# Altium PCB rev3.PcbDoc (part 4 of 7)
Units mil, origin at the board's own origin, x right, y up, seen from the top; angles counter-clockwise.
Board outline 1000 x 800 mil, 2 copper layers (Top Layer, Bottom Layer); 273 components, 16 nets, 2912 pads, 0 vias.
Unrouted connection lines stored in the file: 16.
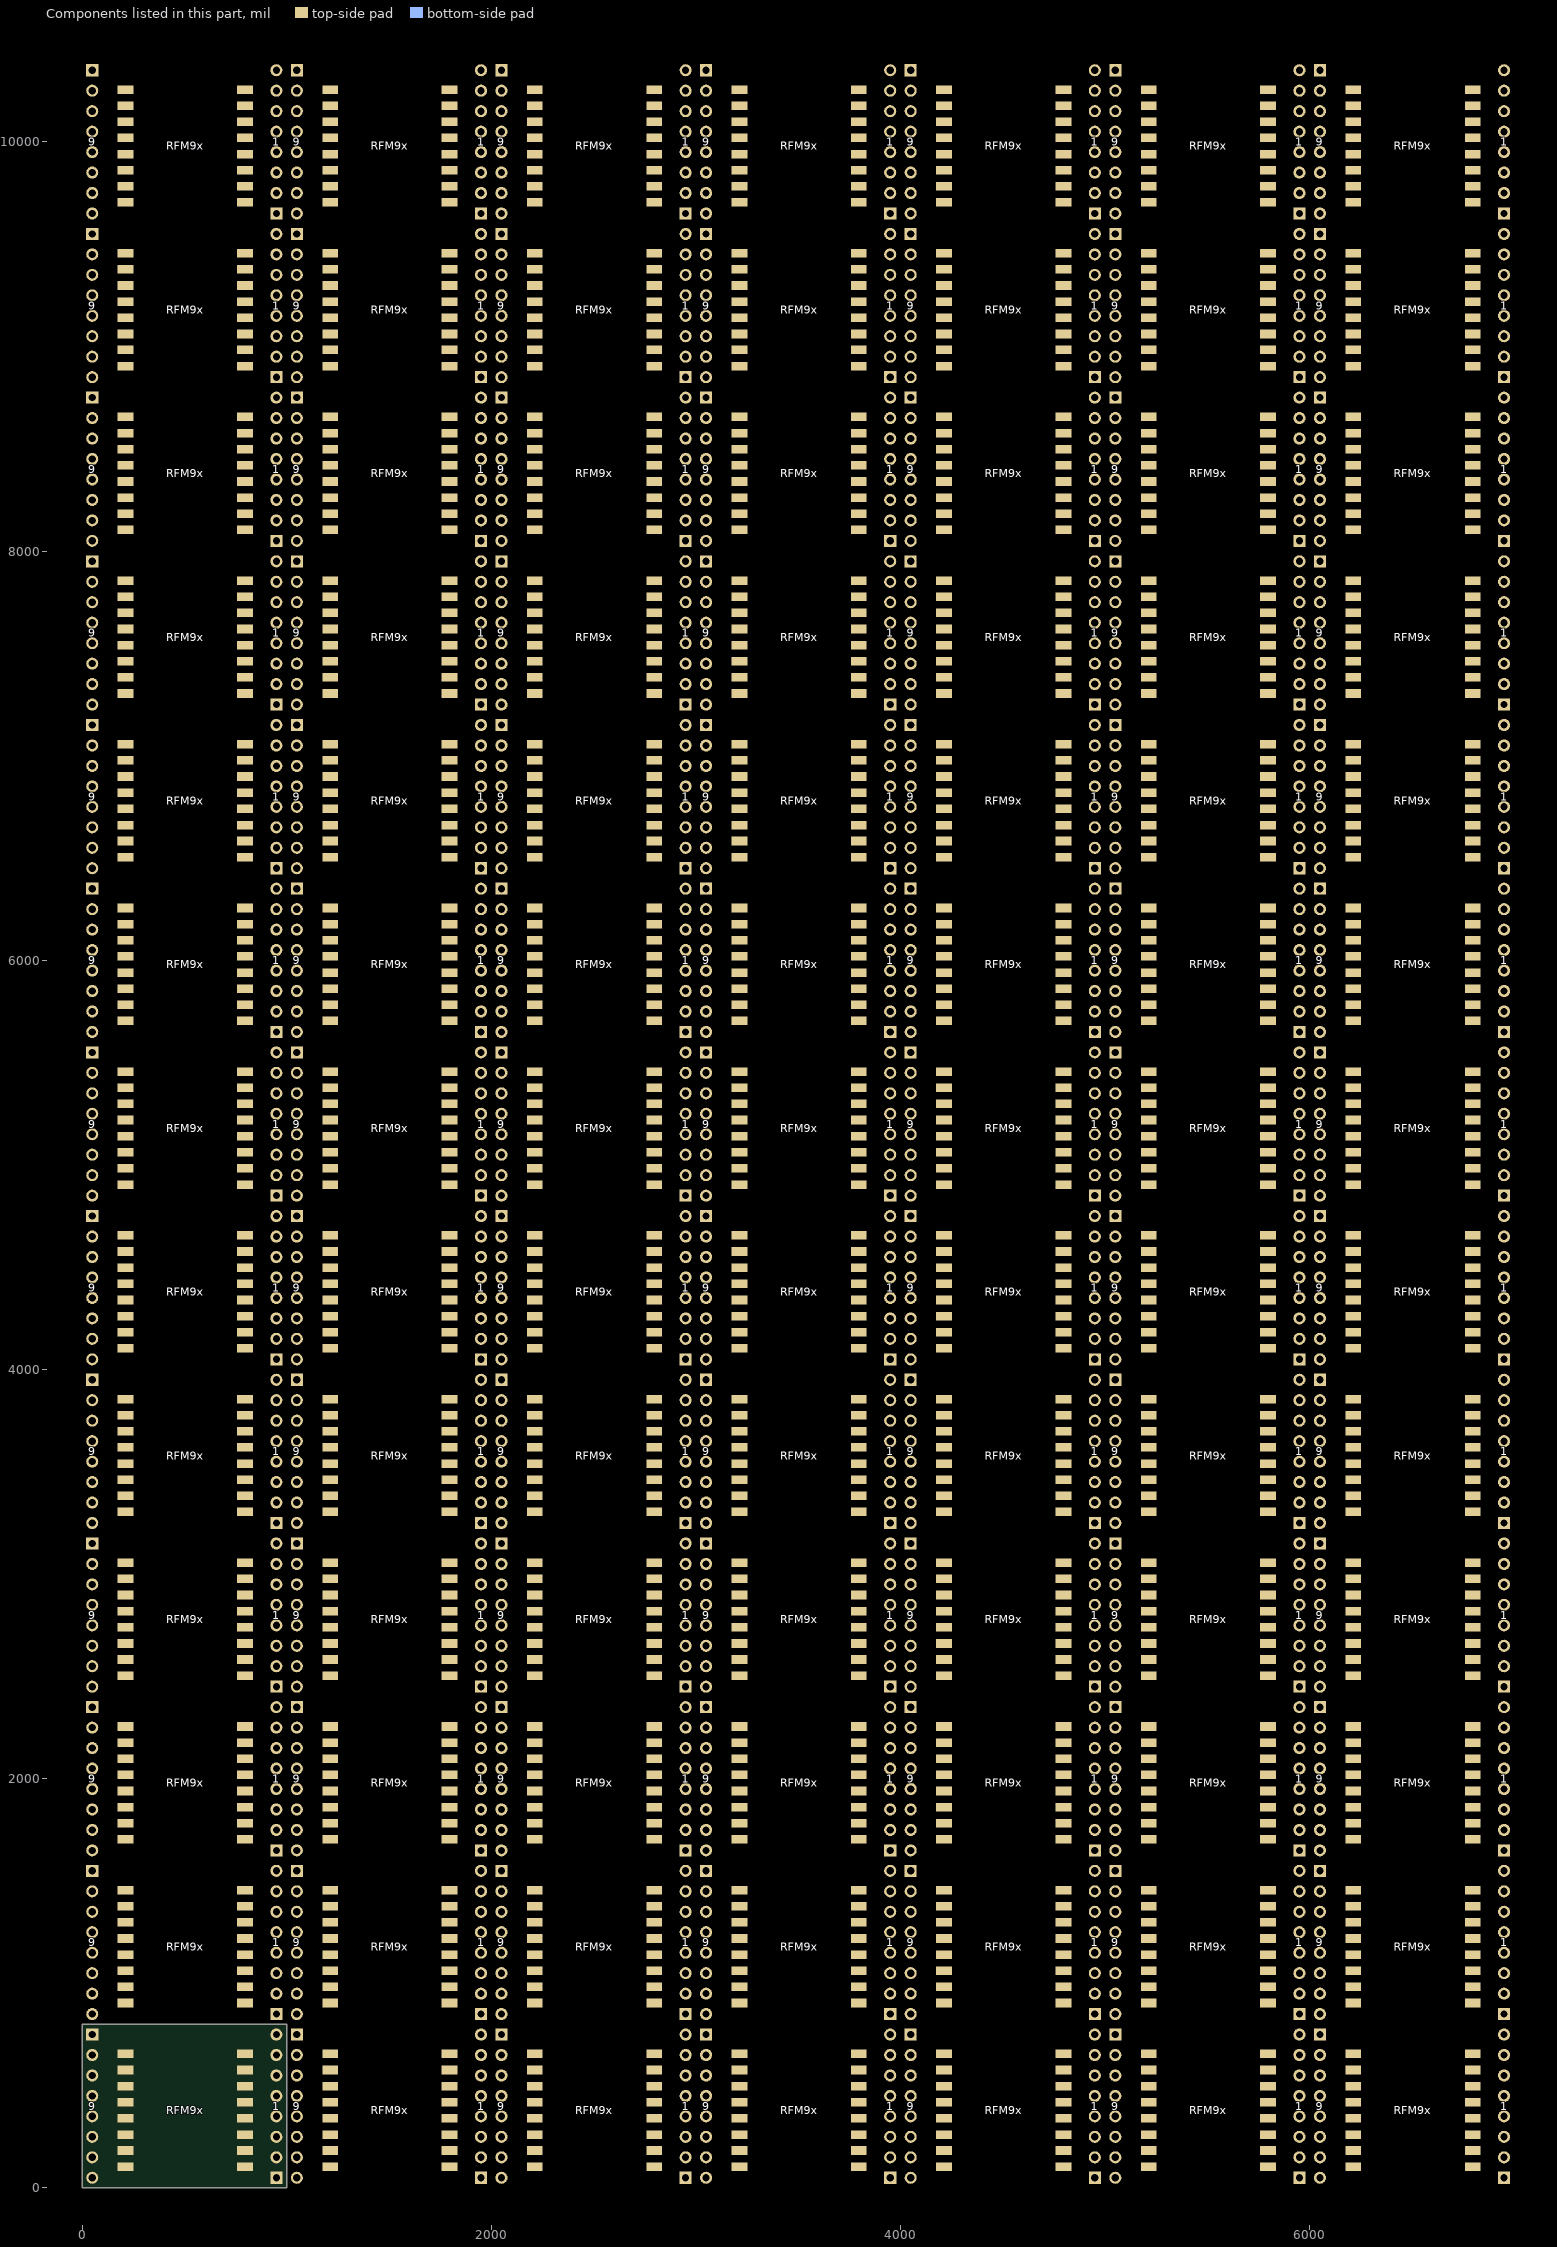
[diagram p4: the components of this part, seen from the top]

## Nets (pads, with @x,y where several pads share a name; then routed paths per layer and width w, separated by ;. In a path a pad name is that pad's centre, name@x,y a point inside that pad or via, vN(x,y) a via of type N, cw(c..) or ccw(c..) an arc to the next point about the centre after c; other vN are vias at no path point) (continued)
copper on no net: (continued)
  Top Layer w32: 50,850 154.25,850 208.66,904.41 ; 50,950 126.87,950 160.02,983.15 208.66,983.15 ; 50,1050 61.89,1061.89 208.66,1061.89 ; 50,1150 59.37,1140.63 208.66,1140.63 ; 50,1250 59.64,1250 89.64,1220 208.66,1220 208.66,1221 ; 50,1350 59.64,1350 105.64,1304 203.66,1304 208.66,1299 ; 50,1450 90,1450 122.16,1417.84 122.16,1415.12 160.28,1377 208.66,1377 ; 50,1550 114.66,1550 208.66,1456 ; 50,1650 154.25,1650 208.66,1704.41 ; 50,1750 126.87,1750 160.02,1783.15 208.66,1783.15 ; 50,1850 61.89,1861.89 208.66,1861.89 ; 50,1950 59.37,1940.63 208.66,1940.63 ; 50,2050 59.64,2050 89.64,2020 208.66,2020 208.66,2021 ; 50,2150 59.64,2150 105.64,2104 203.66,2104 208.66,2099 ; 50,2250 90,2250 122.16,2217.84 122.16,2215.12 160.28,2177 208.66,2177 ; 50,2350 114.66,2350 208.66,2256 ; 50,2450 154.25,2450 208.66,2504.41 ; 50,2550 126.87,2550 160.02,2583.15 208.66,2583.15 ; 50,2650 61.89,2661.89 208.66,2661.89 ; 50,2750 59.37,2740.63 208.66,2740.63 ; 50,2850 59.64,2850 89.64,2820 208.66,2820 208.66,2821 ; 50,2950 59.64,2950 105.64,2904 203.66,2904 208.66,2899 ; 50,3050 90,3050 122.16,3017.84 122.16,3015.12 160.28,2977 208.66,2977 ; 50,3150 114.66,3150 208.66,3056 ; 50,3250 154.25,3250 208.66,3304.41 ; 50,3350 126.87,3350 160.02,3383.15 208.66,3383.15 ; 50,3450 61.89,3461.89 208.66,3461.89 ; 50,3550 59.37,3540.63 208.66,3540.63 ; 50,3650 59.64,3650 89.64,3620 208.66,3620 208.66,3621 ; 50,3750 59.64,3750 105.64,3704 203.66,3704 208.66,3699 ; 50,3850 90,3850 122.16,3817.84 122.16,3815.12 160.28,3777 208.66,3777 ; 50,3950 114.66,3950 208.66,3856 ; 50,4050 154.25,4050 208.66,4104.41 ; 50,4150 126.87,4150 160.02,4183.15 208.66,4183.15 ; 50,4250 61.89,4261.89 208.66,4261.89 ; 50,4350 59.37,4340.63 208.66,4340.63 ; 50,4450 59.64,4450 89.64,4420 208.66,4420 208.66,4421 ; 50,4550 59.64,4550 105.64,4504 203.66,4504 208.66,4499 ; 50,4650 90,4650 122.16,4617.84 122.16,4615.12 160.28,4577 208.66,4577 ; 50,4750 114.66,4750 208.66,4656 ; 50,4850 154.25,4850 208.66,4904.41 ; 50,4950 126.87,4950 160.02,4983.15 208.66,4983.15 ; 50,5050 61.89,5061.89 208.66,5061.89 ; 50,5150 59.37,5140.63 208.66,5140.63 ; 50,5250 59.64,5250 89.64,5220 208.66,5220 208.66,5221 ; 50,5350 59.64,5350 105.64,5304 203.66,5304 208.66,5299 ; 50,5450 90,5450 122.16,5417.84 122.16,5415.12 160.28,5377 208.66,5377 ; 50,5550 114.66,5550 208.66,5456 ; 50,5650 154.25,5650 208.66,5704.41 ; 50,5750 126.87,5750 160.02,5783.15 208.66,5783.15 ; 50,5850 61.89,5861.89 208.66,5861.89 ; 50,5950 59.37,5940.63 208.66,5940.63 ; 50,6050 59.64,6050 89.64,6020 208.66,6020 208.66,6021 ; 50,6150 59.64,6150 105.64,6104 203.66,6104 208.66,6099 ; 50,6250 90,6250 122.16,6217.84 122.16,6215.12 160.28,6177 208.66,6177 ; 50,6350 114.66,6350 208.66,6256 ; 50,6450 154.25,6450 208.66,6504.41 ; 50,6550 126.87,6550 160.02,6583.15 208.66,6583.15 ; 50,6650 61.89,6661.89 208.66,6661.89 ; 50,6750 59.37,6740.63 208.66,6740.63 ; 50,6850 59.64,6850 89.64,6820 208.66,6820 208.66,6821 ; 50,6950 59.64,6950 105.64,6904 203.66,6904 208.66,6899 ; 50,7050 90,7050 122.16,7017.84 122.16,7015.12 160.28,6977 208.66,6977 ; 50,7150 114.66,7150 208.66,7056 ; 50,7250 154.25,7250 208.66,7304.41 ; 50,7350 126.87,7350 160.02,7383.15 208.66,7383.15 ; 50,7450 61.89,7461.89 208.66,7461.89 ; 50,7550 59.37,7540.63 208.66,7540.63 ; 50,7650 59.64,7650 89.64,7620 208.66,7620 208.66,7621 ; 50,7750 59.64,7750 105.64,7704 203.66,7704 208.66,7699 ; 50,7850 90,7850 122.16,7817.84 122.16,7815.12 160.28,7777 208.66,7777 ; 50,7950 114.66,7950 208.66,7856 ; 50,8050 154.25,8050 208.66,8104.41 ; 50,8150 126.87,8150 160.02,8183.15 208.66,8183.15 ; 50,8250 61.89,8261.89 208.66,8261.89 ; 50,8350 59.37,8340.63 208.66,8340.63 ; 50,8450 59.64,8450 89.64,8420 208.66,8420 208.66,8421 ; 50,8550 59.64,8550 105.64,8504 203.66,8504 208.66,8499 ; 50,8650 90,8650 122.16,8617.84 122.16,8615.12 160.28,8577 208.66,8577 ; 50,8750 114.66,8750 208.66,8656 ; 50,8850 154.25,8850 208.66,8904.41 ; 50,8950 126.87,8950 160.02,8983.15 208.66,8983.15 ; 50,9050 61.89,9061.89 208.66,9061.89 ; 50,9150 59.37,9140.63 208.66,9140.63 ; 50,9250 59.64,9250 89.64,9220 208.66,9220 208.66,9221 ; 50,9350 59.64,9350 105.64,9304 203.66,9304 208.66,9299 ; 50,9450 90,9450 122.16,9417.84 122.16,9415.12 160.28,9377 208.66,9377 ; 50,9550 114.66,9550 208.66,9456 ; 50,9650 154.25,9650 208.66,9704.41 ; 50,9750 126.87,9750 160.02,9783.15 208.66,9783.15 ; 50,9850 61.89,9861.89 208.66,9861.89 ; 50,9950 59.37,9940.63 208.66,9940.63 ; 50,10050 59.64,10050 89.64,10020 208.66,10020 208.66,10021 ; 50,10150 59.64,10150 105.64,10104 203.66,10104 208.66,10099 ; 50,10250 90,10250 122.16,10217.84 122.16,10215.12 160.28,10177 208.66,10177 ; 50,10350 114.66,10350 208.66,10256 ; 792,904.41 846.41,850 950,850 ; 792,983.15 840.64,983.15 873.79,950 950,950 ; 792,1061.89 840.64,1061.89 852.53,1050 950,1050 950,1052.15 ; 792,1140.63 940.63,1140.63 950,1150 ; 792,1220 797.18,1214.82 905.18,1214.82 940.36,1250 950,1250 ; 792,1299 889,1299 940,1350 950,1350 ; 792,1377 840.38,1377 878.5,1415.12 878.5,1418.5 910,1450 950,1450 ; 792,1456 886,1550 950,1550 ; 792,1704.41 846.41,1650 950,1650 ; 792,1783.15 840.64,1783.15 873.79,1750 950,1750 ; 792,1861.89 840.64,1861.89 852.53,1850 950,1850 950,1852.15 ; 792,1940.63 940.63,1940.63 950,1950 ; 792,2020 797.18,2014.82 905.18,2014.82 940.36,2050 950,2050 ; 792,2099 889,2099 940,2150 950,2150 ; 792,2177 840.38,2177 878.5,2215.12 878.5,2218.5 910,2250 950,2250 ; 792,2256 886,2350 950,2350 ; 792,2504.41 846.41,2450 950,2450 ; 792,2583.15 840.64,2583.15 873.79,2550 950,2550 ; 792,2661.89 840.64,2661.89 852.53,2650 950,2650 950,2652.15 ; 792,2740.63 940.63,2740.63 950,2750 ; 792,2820 797.18,2814.82 905.18,2814.82 940.36,2850 950,2850 ; 792,2899 889,2899 940,2950 950,2950 ; 792,2977 840.38,2977 878.5,3015.12 878.5,3018.5 910,3050 950,3050 ; 792,3056 886,3150 950,3150 ; 792,3304.41 846.41,3250 950,3250 ; 792,3383.15 840.64,3383.15 873.79,3350 950,3350 ; 792,3461.89 840.64,3461.89 852.53,3450 950,3450 950,3452.15 ; 792,3540.63 940.63,3540.63 950,3550 ; 792,3620 797.18,3614.82 905.18,3614.82 940.36,3650 950,3650 ; 792,3699 889,3699 940,3750 950,3750 ; 792,3777 840.38,3777 878.5,3815.12 878.5,3818.5 910,3850 950,3850 ; 792,3856 886,3950 950,3950 ; 792,4104.41 846.41,4050 950,4050 ; 792,4183.15 840.64,4183.15 873.79,4150 950,4150 ; 792,4261.89 840.64,4261.89 852.53,4250 950,4250 950,4252.15 ; 792,4340.63 940.63,4340.63 950,4350 ; 792,4420 797.18,4414.82 905.18,4414.82 940.36,4450 950,4450 ; 792,4499 889,4499 940,4550 950,4550 ; 792,4577 840.38,4577 878.5,4615.12 878.5,4618.5 910,4650 950,4650 ; 792,4656 886,4750 950,4750 ; 792,4904.41 846.41,4850 950,4850 ; 792,4983.15 840.64,4983.15 873.79,4950 950,4950 ; 792,5061.89 840.64,5061.89 852.53,5050 950,5050 950,5052.15 ; 792,5140.63 940.63,5140.63 950,5150 ; 792,5220 797.18,5214.82 905.18,5214.82 940.36,5250 950,5250 ; 792,5299 889,5299 940,5350 950,5350 ; 792,5377 840.38,5377 878.5,5415.12 878.5,5418.5 910,5450 950,5450 ; 792,5456 886,5550 950,5550 ; 792,5704.41 846.41,5650 950,5650 ; 792,5783.15 840.64,5783.15 873.79,5750 950,5750 ; 792,5861.89 840.64,5861.89 852.53,5850 950,5850 950,5852.15 ; 792,5940.63 940.63,5940.63 950,5950 ; 792,6020 797.18,6014.82 905.18,6014.82 940.36,6050 950,6050 ; 792,6099 889,6099 940,6150 950,6150 ; 792,6177 840.38,6177 878.5,6215.12 878.5,6218.5 910,6250 950,6250 ; 792,6256 886,6350 950,6350 ; 792,6504.41 846.41,6450 950,6450 ; 792,6583.15 840.64,6583.15 873.79,6550 950,6550 ; 792,6661.89 840.64,6661.89 852.53,6650 950,6650 950,6652.15 ; 792,6740.63 940.63,6740.63 950,6750 ; 792,6820 797.18,6814.82 905.18,6814.82 940.36,6850 950,6850 ; 792,6899 889,6899 940,6950 950,6950 ; 792,6977 840.38,6977 878.5,7015.12 878.5,7018.5 910,7050 950,7050 ; 792,7056 886,7150 950,7150 ; 792,7304.41 846.41,7250 950,7250 ; 792,7383.15 840.64,7383.15 873.79,7350 950,7350 ; 792,7461.89 840.64,7461.89 852.53,7450 950,7450 950,7452.15 ; 792,7540.63 940.63,7540.63 950,7550 ; 792,7620 797.18,7614.82 905.18,7614.82 940.36,7650 950,7650 ; 792,7699 889,7699 940,7750 950,7750 ; 792,7777 840.38,7777 878.5,7815.12 878.5,7818.5 910,7850 950,7850 ; 792,7856 886,7950 950,7950 ; 792,8104.41 846.41,8050 950,8050 ; 792,8183.15 840.64,8183.15 873.79,8150 950,8150 ; 792,8261.89 840.64,8261.89 852.53,8250 950,8250 950,8252.15 ; 792,8340.63 940.63,8340.63 950,8350 ; 792,8420 797.18,8414.82 905.18,8414.82 940.36,8450 950,8450 ; 792,8499 889,8499 940,8550 950,8550 ; 792,8577 840.38,8577 878.5,8615.12 878.5,8618.5 910,8650 950,8650 ; 792,8656 886,8750 950,8750 ; 792,8904.41 846.41,8850 950,8850 ; 792,8983.15 840.64,8983.15 873.79,8950 950,8950 ; 792,9061.89 840.64,9061.89 852.53,9050 950,9050 950,9052.15 ; 792,9140.63 940.63,9140.63 950,9150 ; 792,9220 797.18,9214.82 905.18,9214.82 940.36,9250 950,9250 ; 792,9299 889,9299 940,9350 950,9350 ; 792,9377 840.38,9377 878.5,9415.12 878.5,9418.5 910,9450 950,9450 ; 792,9456 886,9550 950,9550 ; 792,9704.41 846.41,9650 950,9650 ; 792,9783.15 840.64,9783.15 873.79,9750 950,9750 ; 792,9861.89 840.64,9861.89 852.53,9850 950,9850 950,9852.15 ; 792,9940.63 940.63,9940.63 950,9950 ; 792,10020 797.18,10014.82 905.18,10014.82 940.36,10050 950,10050 ; 792,10099 889,10099 940,10150 950,10150 ; 792,10177 840.38,10177 878.5,10215.12 878.5,10218.5 910,10250 950,10250 ; 792,10256 886,10350 950,10350 ; 1050,50 1154.25,50 1208.66,104.41 ; 1050,150 1126.87,150 1160.02,183.15 1208.66,183.15 ; 1050,250 1061.89,261.89 1208.66,261.89 ; 1050,350 1059.37,340.63 1208.66,340.63 ; 1050,450 1059.64,450 1089.64,420 1208.66,420 1208.66,421 ; 1050,550 1059.64,550 1105.64,504 1203.66,504 1208.66,499 ; 1050,650 1090,650 1122.16,617.84 1122.16,615.12 1160.28,577 1208.66,577 ; 1050,750 1114.66,750 1208.66,656 ; 1050,850 1154.25,850 1208.66,904.41 ; 1050,950 1126.87,950 1160.02,983.15 1208.66,983.15 ; 1050,1050 1061.89,1061.89 1208.66,1061.89 ; 1050,1150 1059.37,1140.63 1208.66,1140.63 ; 1050,1250 1059.64,1250 1089.64,1220 1208.66,1220 1208.66,1221 ; 1050,1350 1059.64,1350 1105.64,1304 1203.66,1304 1208.66,1299 ; 1050,1450 1090,1450 1122.16,1417.84 1122.16,1415.12 1160.28,1377 1208.66,1377 ; 1050,1550 1114.66,1550 1208.66,1456 ; 1050,1650 1154.25,1650 1208.66,1704.41 ; 1050,1750 1126.87,1750 1160.02,1783.15 1208.66,1783.15 ; 1050,1850 1061.89,1861.89 1208.66,1861.89 ; 1050,1950 1059.37,1940.63 1208.66,1940.63 ; 1050,2050 1059.64,2050 1089.64,2020 1208.66,2020 1208.66,2021 ; 1050,2150 1059.64,2150 1105.64,2104 1203.66,2104 1208.66,2099 ; 1050,2250 1090,2250 1122.16,2217.84 1122.16,2215.12 1160.28,2177 1208.66,2177 ; 1050,2350 1114.66,2350 1208.66,2256 ; 1050,2450 1154.25,2450 1208.66,2504.41 ; 1050,2550 1126.87,2550 1160.02,2583.15 1208.66,2583.15 ; 1050,2650 1061.89,2661.89 1208.66,2661.89 ; 1050,2750 1059.37,2740.63 1208.66,2740.63 ; 1050,2850 1059.64,2850 1089.64,2820 1208.66,2820 1208.66,2821 ; 1050,2950 1059.64,2950 1105.64,2904 1203.66,2904 1208.66,2899 ; 1050,3050 1090,3050 1122.16,3017.84 1122.16,3015.12 1160.28,2977 1208.66,2977 ; 1050,3150 1114.66,3150 1208.66,3056 ; 1050,3250 1154.25,3250 1208.66,3304.41 ; 1050,3350 1126.87,3350 1160.02,3383.15 1208.66,3383.15 ; 1050,3450 1061.89,3461.89 1208.66,3461.89 ; 1050,3550 1059.37,3540.63 1208.66,3540.63 ; 1050,3650 1059.64,3650 1089.64,3620 1208.66,3620 1208.66,3621 ; 1050,3750 1059.64,3750 1105.64,3704 1203.66,3704 1208.66,3699 ; 1050,3850 1090,3850 1122.16,3817.84 1122.16,3815.12 1160.28,3777 1208.66,3777 ; 1050,3950 1114.66,3950 1208.66,3856 ; 1050,4050 1154.25,4050 1208.66,4104.41 ; 1050,4150 1126.87,4150 1160.02,4183.15 1208.66,4183.15 ; 1050,4250 1061.89,4261.89 1208.66,4261.89 ; 1050,4350 1059.37,4340.63 1208.66,4340.63 ; 1050,4450 1059.64,4450 1089.64,4420 1208.66,4420 1208.66,4421 ; 1050,4550 1059.64,4550 1105.64,4504 1203.66,4504 1208.66,4499 ; 1050,4650 1090,4650 1122.16,4617.84 1122.16,4615.12 1160.28,4577 1208.66,4577 ; 1050,4750 1114.66,4750 1208.66,4656 ; 1050,4850 1154.25,4850 1208.66,4904.41 ; 1050,4950 1126.87,4950 1160.02,4983.15 1208.66,4983.15 ; 1050,5050 1061.89,5061.89 1208.66,5061.89 ; 1050,5150 1059.37,5140.63 1208.66,5140.63 ; 1050,5250 1059.64,5250 1089.64,5220 1208.66,5220 1208.66,5221 ; 1050,5350 1059.64,5350 1105.64,5304 1203.66,5304 1208.66,5299 ; 1050,5450 1090,5450 1122.16,5417.84 1122.16,5415.12 1160.28,5377 1208.66,5377 ; 1050,5550 1114.66,5550 1208.66,5456 ; 1050,5650 1154.25,5650 1208.66,5704.41 ; 1050,5750 1126.87,5750 1160.02,5783.15 1208.66,5783.15 ; 1050,5850 1061.89,5861.89 1208.66,5861.89 ; 1050,5950 1059.37,5940.63 1208.66,5940.63 ; 1050,6050 1059.64,6050 1089.64,6020 1208.66,6020 1208.66,6021 ; 1050,6150 1059.64,6150 1105.64,6104 1203.66,6104 1208.66,6099 ; 1050,6250 1090,6250 1122.16,6217.84 1122.16,6215.12 1160.28,6177 1208.66,6177 ; 1050,6350 1114.66,6350 1208.66,6256 ; 1050,6450 1154.25,6450 1208.66,6504.41 ; 1050,6550 1126.87,6550 1160.02,6583.15 1208.66,6583.15 ; 1050,6650 1061.89,6661.89 1208.66,6661.89 ; 1050,6750 1059.37,6740.63 1208.66,6740.63 ; 1050,6850 1059.64,6850 1089.64,6820 1208.66,6820 1208.66,6821 ; 1050,6950 1059.64,6950 1105.64,6904 1203.66,6904 1208.66,6899 ; 1050,7050 1090,7050 1122.16,7017.84 1122.16,7015.12 1160.28,6977 1208.66,6977 ; 1050,7150 1114.66,7150 1208.66,7056 ; 1050,7250 1154.25,7250 1208.66,7304.41 ; 1050,7350 1126.87,7350 1160.02,7383.15 1208.66,7383.15 ; 1050,7450 1061.89,7461.89 1208.66,7461.89 ; 1050,7550 1059.37,7540.63 1208.66,7540.63 ; 1050,7650 1059.64,7650 1089.64,7620 1208.66,7620 1208.66,7621 ; 1050,7750 1059.64,7750 1105.64,7704 1203.66,7704 1208.66,7699 ; 1050,7850 1090,7850 1122.16,7817.84 1122.16,7815.12 1160.28,7777 1208.66,7777 ; 1050,7950 1114.66,7950 1208.66,7856 ; 1050,8050 1154.25,8050 1208.66,8104.41 ; 1050,8150 1126.87,8150 1160.02,8183.15 1208.66,8183.15 ; 1050,8250 1061.89,8261.89 1208.66,8261.89 ; 1050,8350 1059.37,8340.63 1208.66,8340.63 ; 1050,8450 1059.64,8450 1089.64,8420 1208.66,8420 1208.66,8421 ; 1050,8550 1059.64,8550 1105.64,8504 1203.66,8504 1208.66,8499 ; 1050,8650 1090,8650 1122.16,8617.84 1122.16,8615.12 1160.28,8577 1208.66,8577 ; 1050,8750 1114.66,8750 1208.66,8656 ; 1050,8850 1154.25,8850 1208.66,8904.41 ; 1050,8950 1126.87,8950 1160.02,8983.15 1208.66,8983.15 ; 1050,9050 1061.89,9061.89 1208.66,9061.89 ; 1050,9150 1059.37,9140.63 1208.66,9140.63 ; 1050,9250 1059.64,9250 1089.64,9220 1208.66,9220 1208.66,9221 ; 1050,9350 1059.64,9350 1105.64,9304 1203.66,9304 1208.66,9299 ; 1050,9450 1090,9450 1122.16,9417.84 1122.16,9415.12 1160.28,9377 1208.66,9377 ; 1050,9550 1114.66,9550 1208.66,9456 ; 1050,9650 1154.25,9650 1208.66,9704.41 ; 1050,9750 1126.87,9750 1160.02,9783.15 1208.66,9783.15 ; 1050,9850 1061.89,9861.89 1208.66,9861.89 ; 1050,9950 1059.37,9940.63 1208.66,9940.63 ; 1050,10050 1059.64,10050 1089.64,10020 1208.66,10020 1208.66,10021 ; 1050,10150 1059.64,10150 1105.64,10104 1203.66,10104 1208.66,10099 ; 1050,10250 1090,10250 1122.16,10217.84 1122.16,10215.12 1160.28,10177 1208.66,10177 ; 1050,10350 1114.66,10350 1208.66,10256 ; 1792,104.41 1846.41,50 1950,50 ; 1792,183.15 1840.64,183.15 1873.79,150 1950,150 ; 1792,261.89 1840.64,261.89 1852.53,250 1950,250 1950,252.15 ; 1792,340.63 1940.63,340.63 1950,350 ; 1792,420 1797.18,414.82 1905.18,414.82 1940.36,450 1950,450 ; 1792,499 1889,499 1940,550 1950,550 ; 1792,577 1840.38,577 1878.5,615.12 1878.5,618.5 1910,650 1950,650 ; 1792,656 1886,750 1950,750 ; 1792,904.41 1846.41,850 1950,850 ; 1792,983.15 1840.64,983.15 1873.79,950 1950,950 ; 1792,1061.89 1840.64,1061.89 1852.53,1050 1950,1050 1950,1052.15 ; 1792,1140.63 1940.63,1140.63 1950,1150 ; 1792,1220 1797.18,1214.82 1905.18,1214.82 1940.36,1250 1950,1250 ; 1792,1299 1889,1299 1940,1350 1950,1350 ; 1792,1377 1840.38,1377 1878.5,1415.12 1878.5,1418.5 1910,1450 1950,1450 ; 1792,1456 1886,1550 1950,1550 ; 1792,1704.41 1846.41,1650 1950,1650 ; 1792,1783.15 1840.64,1783.15 1873.79,1750 1950,1750 ; 1792,1861.89 1840.64,1861.89 1852.53,1850 1950,1850 1950,1852.15 ; 1792,1940.63 1940.63,1940.63 1950,1950 ; 1792,2020 1797.18,2014.82 1905.18,2014.82 1940.36,2050 1950,2050 ; 1792,2099 1889,2099 1940,2150 1950,2150 ; 1792,2177 1840.38,2177 1878.5,2215.12 1878.5,2218.5 1910,2250 1950,2250 ; 1792,2256 1886,2350 1950,2350 ; 1792,2504.41 1846.41,2450 1950,2450 ; 1792,2583.15 1840.64,2583.15 1873.79,2550 1950,2550 ; 1792,2661.89 1840.64,2661.89 1852.53,2650 1950,2650 1950,2652.15 ; 1792,2740.63 1940.63,2740.63 1950,2750 ; 1792,2820 1797.18,2814.82 1905.18,2814.82 1940.36,2850 1950,2850 ; 1792,2899 1889,2899 1940,2950 1950,2950 ; 1792,2977 1840.38,2977 1878.5,3015.12 1878.5,3018.5 1910,3050 1950,3050 ; 1792,3056 1886,3150 1950,3150 ; 1792,3304.41 1846.41,3250 1950,3250 ; 1792,3383.15 1840.64,3383.15 1873.79,3350 1950,3350 ; 1792,3461.89 1840.64,3461.89 1852.53,3450 1950,3450 1950,3452.15 ; 1792,3540.63 1940.63,3540.63 1950,3550 ; 1792,3620 1797.18,3614.82 1905.18,3614.82 1940.36,3650 1950,3650 ; 1792,3699 1889,3699 1940,3750 1950,3750 ; 1792,3777 1840.38,3777 1878.5,3815.12 1878.5,3818.5 1910,3850 1950,3850 ; 1792,3856 1886,3950 1950,3950 ; 1792,4104.41 1846.41,4050 1950,4050 ; 1792,4183.15 1840.64,4183.15 1873.79,4150 1950,4150 ; 1792,4261.89 1840.64,4261.89 1852.53,4250 1950,4250 1950,4252.15 ; 1792,4340.63 1940.63,4340.63 1950,4350 ; 1792,4420 1797.18,4414.82 1905.18,4414.82 1940.36,4450 1950,4450 ; 1792,4499 1889,4499 1940,4550 1950,4550 ; 1792,4577 1840.38,4577 1878.5,4615.12 1878.5,4618.5 1910,4650 1950,4650 ; 1792,4656 1886,4750 1950,4750 ; 1792,4904.41 1846.41,4850 1950,4850 ; 1792,4983.15 1840.64,4983.15 1873.79,4950 1950,4950 ; 1792,5061.89 1840.64,5061.89 1852.53,5050 1950,5050 1950,5052.15 ; 1792,5140.63 1940.63,5140.63 1950,5150 ; 1792,5220 1797.18,5214.82 1905.18,5214.82 1940.36,5250 1950,5250 ; 1792,5299 1889,5299 1940,5350 1950,5350 ; 1792,5377 1840.38,5377 1878.5,5415.12 1878.5,5418.5 1910,5450 1950,5450 ; 1792,5456 1886,5550 1950,5550 ; 1792,5704.41 1846.41,5650 1950,5650 ; 1792,5783.15 1840.64,5783.15 1873.79,5750 1950,5750 ; 1792,5861.89 1840.64,5861.89 1852.53,5850 1950,5850 1950,5852.15 ; 1792,5940.63 1940.63,5940.63 1950,5950 ; 1792,6020 1797.18,6014.82 1905.18,6014.82 1940.36,6050 1950,6050 ; 1792,6099 1889,6099 1940,6150 1950,6150 ; 1792,6177 1840.38,6177 1878.5,6215.12 1878.5,6218.5 1910,6250 1950,6250 ; 1792,6256 1886,6350 1950,6350 ; 1792,6504.41 1846.41,6450 1950,6450 ; 1792,6583.15 1840.64,6583.15 1873.79,6550 1950,6550 ; 1792,6661.89 1840.64,6661.89 1852.53,6650 1950,6650 1950,6652.15 ; 1792,6740.63 1940.63,6740.63 1950,6750 ; 1792,6820 1797.18,6814.82 1905.18,6814.82 1940.36,6850 1950,6850 ; 1792,6899 1889,6899 1940,6950 1950,6950 ; 1792,6977 1840.38,6977 1878.5,7015.12 1878.5,7018.5 1910,7050 1950,7050 ; 1792,7056 1886,7150 1950,7150 ; 1792,7304.41 1846.41,7250 1950,7250 ; 1792,7383.15 1840.64,7383.15 1873.79,7350 1950,7350 ; 1792,7461.89 1840.64,7461.89 1852.53,7450 1950,7450 1950,7452.15 ; 1792,7540.63 1940.63,7540.63 1950,7550 ; 1792,7620 1797.18,7614.82 1905.18,7614.82 1940.36,7650 1950,7650 ; 1792,7699 1889,7699 1940,7750 1950,7750 ; 1792,7777 1840.38,7777 1878.5,7815.12 1878.5,7818.5 1910,7850 1950,7850 ; 1792,7856 1886,7950 1950,7950 ; 1792,8104.41 1846.41,8050 1950,8050 ; 1792,8183.15 1840.64,8183.15 1873.79,8150 1950,8150 ; 1792,8261.89 1840.64,8261.89 1852.53,8250 1950,8250 1950,8252.15 ; 1792,8340.63 1940.63,8340.63 1950,8350 ; 1792,8420 1797.18,8414.82 1905.18,8414.82 1940.36,8450 1950,8450 ; 1792,8499 1889,8499 1940,8550 1950,8550 ; 1792,8577 1840.38,8577 1878.5,8615.12 1878.5,8618.5 1910,8650 1950,8650 ; 1792,8656 1886,8750 1950,8750 ; 1792,8904.41 1846.41,8850 1950,8850 ; 1792,8983.15 1840.64,8983.15 1873.79,8950 1950,8950 ; 1792,9061.89 1840.64,9061.89 1852.53,9050 1950,9050 1950,9052.15 ; 1792,9140.63 1940.63,9140.63 1950,9150 ; 1792,9220 1797.18,9214.82 1905.18,9214.82 1940.36,9250 1950,9250 ; 1792,9299 1889,9299 1940,9350 1950,9350 ; 1792,9377 1840.38,9377 1878.5,9415.12 1878.5,9418.5 1910,9450 1950,9450 ; 1792,9456 1886,9550 1950,9550 ; 1792,9704.41 1846.41,9650 1950,9650 ; 1792,9783.15 1840.64,9783.15 1873.79,9750 1950,9750 ; 1792,9861.89 1840.64,9861.89 1852.53,9850 1950,9850 1950,9852.15 ; 1792,9940.63 1940.63,9940.63 1950,9950 ; 1792,10020 1797.18,10014.82 